# Allegro board CH348Q_V10_240815.brd
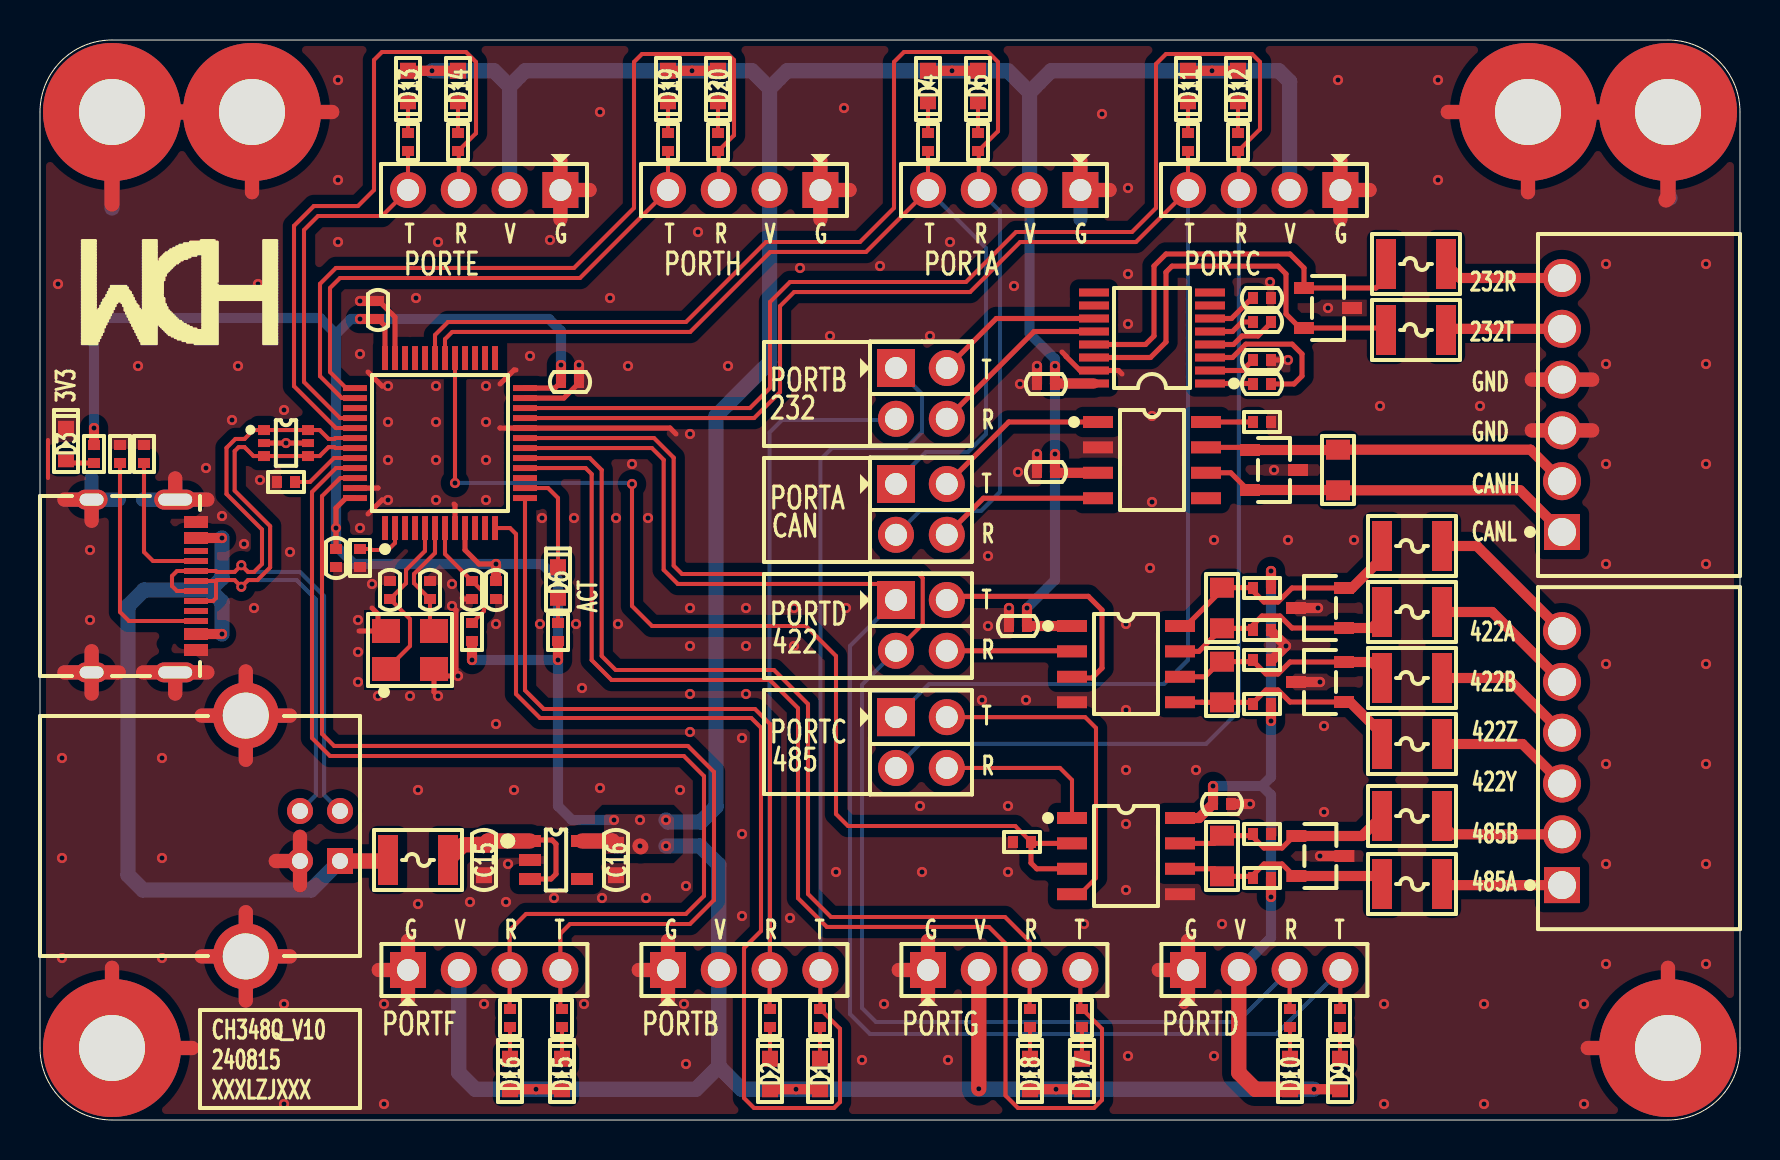
[diagram p0: board, top side]
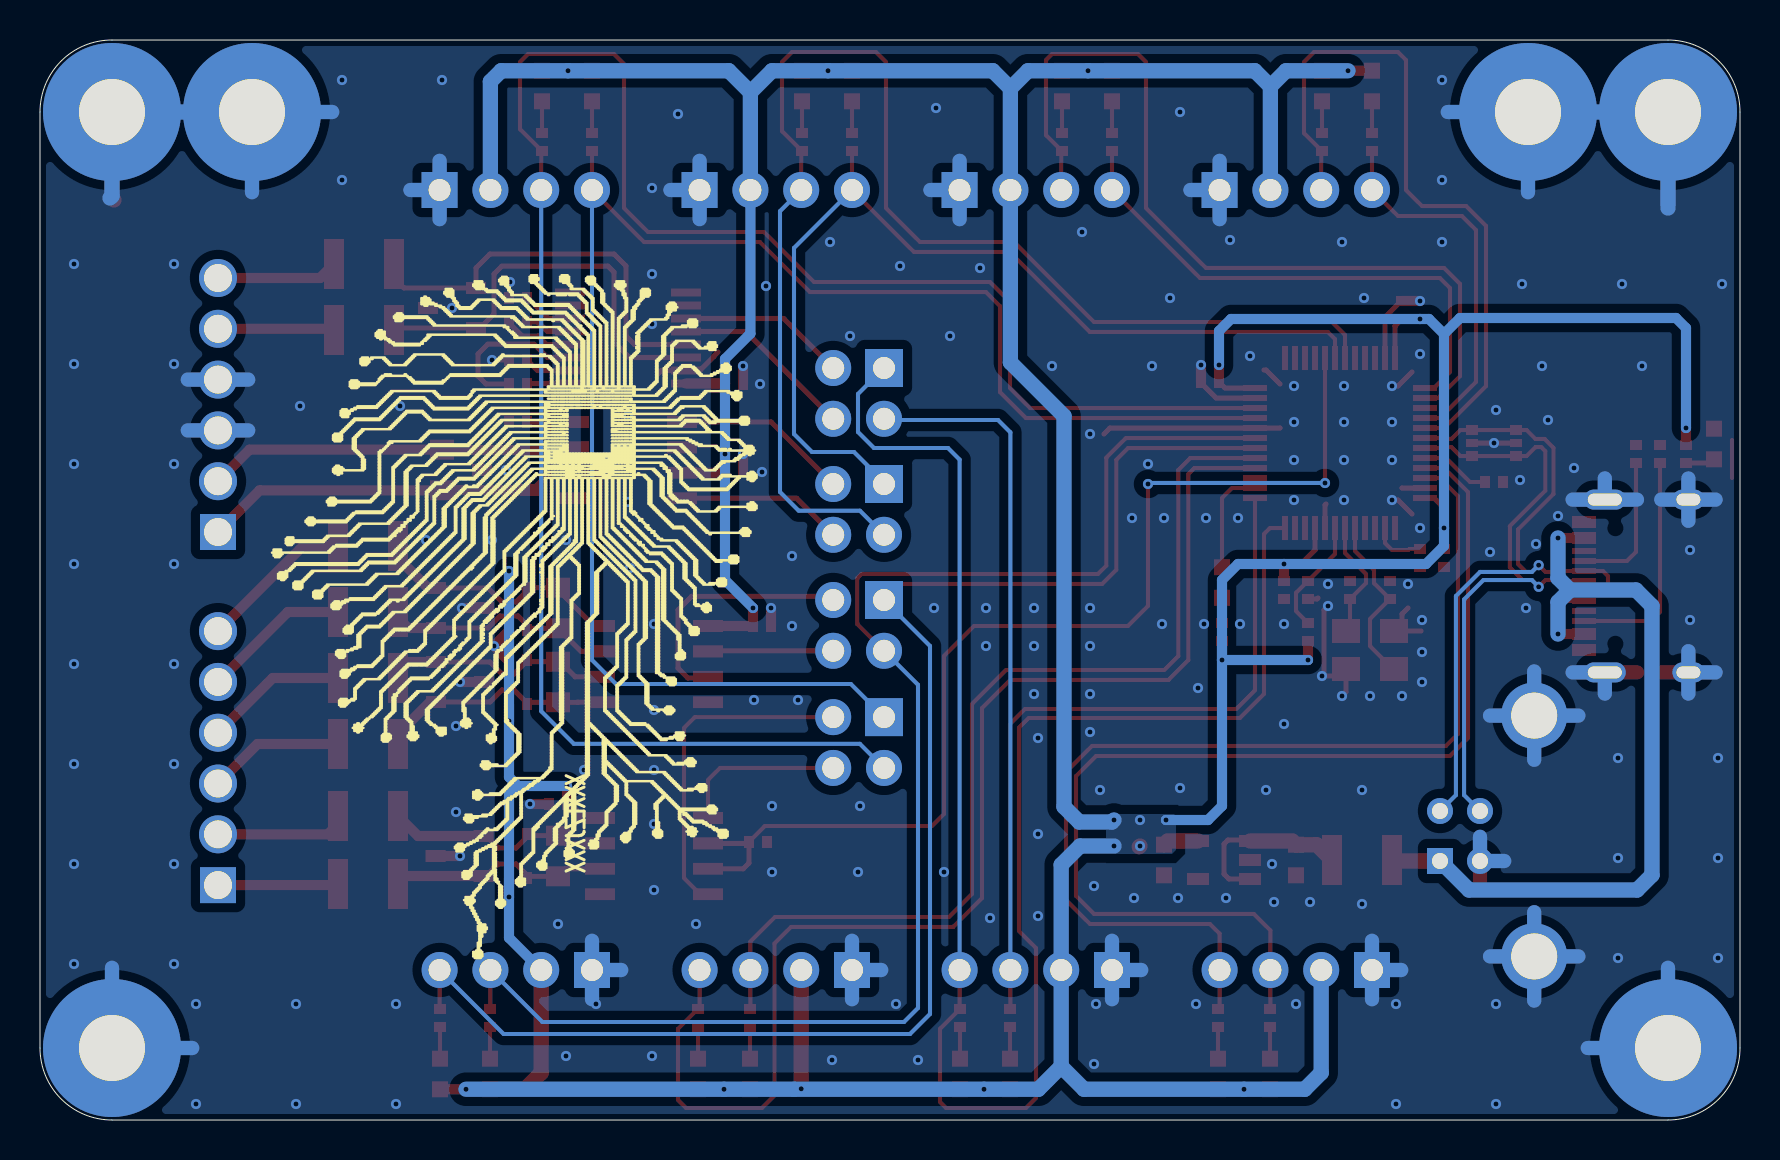
[diagram p1: board, bottom side, seen from below]

Outline 85 x 54 mm; copper layers: TOP, BOTTOM. Coordinates in mm from the lower left corner of the outline.
Outline path: 0,50.4 arc(1.05,52.95) 3.6,54 81.4,54 arc(83.95,52.95) 85,50.4 85,3.6 arc(83.95,1.05) 81.4,0 3.6,0 arc(1.05,1.05) 0,3.6 0,50.4

## Design rules (mm)
constraint set DEFAULT: min track width 0.203, pair gap 0.203
net group DP1: nets USB_DM USB_DP

## Placement (name value [footprint] x y rotation side)
C1  100nF_50V  [C0402]  61.1 41.1 180 top
C2  100nF_50V  [C0402]  61.1 39.9 180 top
C3  100nF_50V  [C0402]  16.9 40.5 270 top
C4  100nF_50V  [C0402]  61.1 38 180 top
C5  100nF_50V  [C0402]  26.5 36.9 180 top
C6  100nF_50V  [C0402]  50.3 36.8 0 top
C7  100nF_50V  [C0402]  61.1 36.8 0 top
C8  100nF_50V  [C0402]  50.3 32.4 0 top
C9  100nF_50V  [C0402]  14.8 28.1 90 top
C10  12pF_50V  [C0402]  17.5 26.5 270 top
C11  12pF_50V  [C0402]  19.5 26.5 270 top
C12  100nF_50V  [C0402]  21.6 26.5 90 top
C13  100nF_50V  [C0402]  22.8 26.5 90 top
C14  100nF_50V  [C0402]  48.9 24.7 0 top
C15  10uF_10V  [C0603]  22.2 13 90 top
C16  10uF_10V  [C0603]  28.8 13 90 top
C17  100nF_50V  [C0402]  59.1 15.8 180 top
D1  GREEN-0603  [LED0603]  39 2.3 90 top
D2  GREEN-0603  [LED0603]  36.5 2.3 90 top
D3  GREEN-0603  [LED0603]  1.3 33.8 90 top
D4  GREEN-0603  [LED0603]  44.4 51.7 270 top
D5  GREEN-0603  [LED0603]  46.9 51.7 270 top
D6  GREEN-0603  [LED0603]  25.9 26.88 90 top
D9  GREEN-0603  [LED0603]  65 2.3 90 top
D10  GREEN-0603  [LED0603]  62.5 2.3 90 top
D11  GREEN-0603  [LED0603]  57.4 51.7 270 top
D12  GREEN-0603  [LED0603]  59.9 51.7 270 top
D13  GREEN-0603  [LED0603]  18.4 51.7 270 top
D14  GREEN-0603  [LED0603]  20.9 51.7 270 top
D15  GREEN-0603  [LED0603]  26.1 2.3 90 top
D16  GREEN-0603  [LED0603]  23.5 2.3 90 top
D17  GREEN-0603  [LED0603]  52.1 2.3 90 top
D18  GREEN-0603  [LED0603]  49.5 2.3 90 top
D19  GREEN-0603  [LED0603]  31.4 51.7 270 top
D20  GREEN-0603  [LED0603]  33.9 51.7 270 top
F1  SMD1210B010TF  [FUSE1210]  68.8 42.8 0 top
F2  SMD1210B010TF  [FUSE1210]  68.8 39.5 0 top
F3  SMD1210B010TF  [FUSE1210]  68.6 28.7 0 top
F4  SMD1210B010TF  [FUSE1210]  68.6 25.4 0 top
F5  SMD1210B010TF  [FUSE1210]  68.6 22.1 0 top
F6  SMD1210-200  [FUSE1210]  18.9 13 0 top
F7  SMD1210B010TF  [FUSE1210]  68.6 18.8 0 top
F8  SMD1210B010TF  [FUSE1210]  68.6 15.2 0 top
F9  SMD1210B010TF  [FUSE1210]  68.6 11.8 0 top
J1  -  [CN1X4-2P54-Z]  52.02 46.5 180 top
J2  -  [CN1X4-2P54-Z]  31.4 7.5 0 top
J3  -  [CN2X2-2P54-Z]  42.8 37.6 270 top
J4  DB2ERC-2.54-6P-GN  [DB2ERC-2R54-6P-GN]  76.1 29.4 90 top
J5  -  [CN2X2-2P54-Z]  42.8 31.8 270 top
J6  -  [CN2X2-2P54-Z]  42.8 26 270 top
J7  -  [CN2X2-2P54-Z]  42.8 20.14 270 top
J8  DB2ERC-2.54-6P-GN  [DB2ERC-2R54-6P-GN]  76.1 11.74 90 top
J9  -  [CN1X4-2P54-Z]  57.4 7.5 0 top
J10  -  [CN1X4-2P54-Z]  65.02 46.5 180 top
J11  -  [CN1X4-2P54-Z]  26.02 46.5 180 top
J12  -  [CN1X4-2P54-Z]  18.4 7.5 0 top
J13  -  [CN1X4-2P54-Z]  44.4 7.5 0 top
J14  -  [CN1X4-2P54-Z]  39.02 46.5 180 top
MH1  HOLE_M3/NI  [HOLE6R90X3R40]  3.6 50.4 0 top
MH2  HOLE_M3/NI  [HOLE6R90X3R40]  10.6 50.4 0 top
MH3  HOLE_M3/NI  [HOLE6R90X3R40]  74.4 50.4 0 top
MH4  HOLE_M3/NI  [HOLE6R90X3R40]  81.4 50.4 0 top
MH5  HOLE_M3/NI  [HOLE6R90X3R40]  3.6 3.6 0 top
MH6  HOLE_M3/NI  [HOLE6R90X3R40]  81.4 3.6 0 top
NOREF  -  []  0 0 90 top
NOREF#2  -  []  0 0 0 top
NOREF#3  -  []  0 0 90 top
NOREF#4  -  []  0 0 0 top
NOREF#5  -  []  0 0 0 top
NOREF#6  -  []  3.6 50.4 0 top
NOREF#7  -  []  0 0 90 top
R1  4.7K  [R0402]  39 5.1 270 top
R2  4.7K  [R0402]  36.5 5.1 270 top
R3  0R  [R0402]  61.1 34.9 0 top
R4  4.7K  [R0402]  2.7 33.3 90 top
R5  5.1K  [R0402]  4 33.3 90 top
R6  5.1K/NI  [R0402]  5.2 33.3 270 top
R7  120R/NI  [R0805]  64.9 32.5 90 top
R8  4.7K  [R0402]  12.3 31.9 0 top
R9  4.7K  [R0402]  44.4 48.9 90 top
R10  4.7K  [R0402]  46.9 48.9 90 top
R11  4.7K  [R0402]  25.9 24.4 270 top
R14  4.7K  [R0402]  21.6 24.4 90 top
R15  4.7K  [R0402]  65 5.1 270 top
R16  2K  [R0402]  61.1 26.6 0 top
R17  120R  [R0805]  59.1 25.6 90 top
R18  4.7K  [R0402]  62.5 5.1 270 top
R19  2K  [R0402]  61.1 24.5 180 top
R20  2K  [R0402]  61.1 23 180 top
R21  120R  [R0805]  59.1 21.9 270 top
R22  4.7K  [R0402]  57.4 48.9 90 top
R23  2K  [R0402]  61.1 20.8 0 top
R24  4.7K  [R0402]  59.9 48.9 90 top
R25  2K  [R0402]  61.1 14.3 180 top
R26  10K  [R0402]  49.1 13.9 180 top
R27  120R  [R0805]  59.1 13.2 270 top
R28  2K  [R0402]  61.1 12.1 0 top
R29  4.7K  [R0402]  16 28.1 90 top
R30  4.7K  [R0402]  18.4 48.9 90 top
R31  4.7K  [R0402]  20.9 48.9 90 top
R32  4.7K  [R0402]  26.1 5.1 270 top
R33  4.7K  [R0402]  23.5 5.1 270 top
R34  4.7K  [R0402]  52.1 5.1 270 top
R35  4.7K  [R0402]  49.5 5.1 270 top
R36  4.7K  [R0402]  31.4 48.9 90 top
R37  4.7K  [R0402]  33.9 48.9 90 top
U1  SP3232EEY-L/TR  [TSSOP16]  55.6 39.1 90 top
U2  SDT23C15L02  [SOT23-3]  64.4 40.6 180 top
U3  TPD4E1U06DCKR  [SOT363]  12.3 33.85 270 top
U4  CH348Q  [LQFP48-7X7X0R5]  20 33.85 0 top
U5  SN65HVD230DR  [SOIC8]  55.6 33 270 top
U6  SDT23C15L02  [SOT23-3]  61.7 32.5 180 top
U7  SDT23C15L02  [SOT23-3]  64 25.6 0 top
U8  SP3490EN-L/TR  [SOIC8]  54.3 22.8 270 top
U9  SDT23C15L02  [SOT23-3]  64 21.9 0 top
U10  SPX3819M5-L-3-3  [SOT23-5]  25.8 13 270 top
U11  SP3485EN-L/TR  [SOIC8]  54.3 13.2 270 top
U12  SDT23C15L02  [SOT23-3]  64.02 13.2 180 top
USB1  -  [TYPE-C-31-M-12]  7.8 26.7 270 top
USB2  -  [USB-B]  15 14.2 180 top
X1  X32258MOB4SI  [X-4P-3R2X2R5-SMD]  18.5 23.5 0 top

## Library data of the parts
C1 C2 C4 C6 C7 C14-C17 = CAP NP
C3 C5 C9-C13 = CAP NP_3
C8 = CAP NP_2
D1-D6 D9-D20 = LED_4
F1-F9 = FUSE
J1 J2 J9-J14 = CONN RCPT 4
J3 J5-J7 = CONN RCPT 2x2
J4 J8 = CONN RCPT 6
MH1-MH6 = Hold_1
R1-R11 R14-R37 = R_Generic
U1 = ADM202_0
U2 U6 U7 U9 U12 = PESD1CAN
U3 = TPD4E1U06DBVR
U4 = CH348Q
U5 = TJA1050
U8 = MAX3485ESA_0
U10 = SPX3819M5-L-1-2
U11 = MAX3485ESA
USB1 = TYPE-C_16P
USB2 = USB-B
X1 = TSX-3225

## Footprints (pads in the part's own frame, mm; a bottom-side part is the same pattern mirrored in y, then rotated)
C0402
  rect 0.5x0.6 smd: 1(-0.45,0) 2(0.45,0)
C0603
  rect 0.8x0.8 smd: 1(-0.762,0) 2(0.762,0)
CN1X4-2P54-Z
  rect 1.8x1.8 hole 1.1: 1(0,0)
  round 1.8 hole 1.1: 2(2.54,0) 3(5.08,0) 4(7.62,0)
CN2X2-2P54-Z
  rect 1.9x1.9 hole 1.1: 1(0,0)
  round 1.8 hole 1.1: 2(0,2.54) 3(2.54,0) 4(2.54,2.54)
DB2ERC-2R54-6P-GN
  rect 1.8x1.8 hole 1.4: 1(0,0)
  round 1.9 hole 1.4: 2(2.54,0) 3(5.08,0) 4(7.62,0) 5(10.16,0) 6(12.7,0)
FUSE1210
  rect 1x2.5 smd: 1(-1.5,0) 2(1.5,0)
HOLE6R90X3R40
  round 6.9 hole 3.3: 1(0,0)
LED0603
  rect 0.8x0.8 smd: 1(-0.762,0) 2(0.762,0)
LQFP48-7X7X0R5
  rect 0.3x1.2 smd: 1(-2.75,-4.25) 2(-2.25,-4.25) 3(-1.75,-4.25) 4(-1.25,-4.25) 5(-0.75,-4.25) 6(-0.25,-4.25) 7(0.25,-4.25) 8(0.75,-4.25) 9(1.25,-4.25) 10(1.75,-4.25) 11(2.25,-4.25) 12(2.75,-4.25) 25(2.75,4.25) 26(2.25,4.25) 27(1.75,4.25) 28(1.25,4.25) 29(0.75,4.25) 30(0.25,4.25) 31(-0.25,4.25) 32(-0.75,4.25) 33(-1.25,4.25) 34(-1.75,4.25) 35(-2.25,4.25) 36(-2.75,4.25)
  rect 1.2x0.3 smd: 13(4.25,-2.75) 14(4.25,-2.25) 15(4.25,-1.75) 16(4.25,-1.25) 17(4.25,-0.75) 18(4.25,-0.25) 19(4.25,0.25) 20(4.25,0.75) 21(4.25,1.25) 22(4.25,1.75) 23(4.25,2.25) 24(4.25,2.75) 37(-4.25,2.75) 38(-4.25,2.25) 39(-4.25,1.75) 40(-4.25,1.25) 41(-4.25,0.75) 42(-4.25,0.25) 43(-4.25,-0.25) 44(-4.25,-0.75) 45(-4.25,-1.25) 46(-4.25,-1.75) 47(-4.25,-2.25) 48(-4.25,-2.75)
R0402
  rect 0.5x0.6 smd: 1(-0.45,0) 2(0.45,0)
R0805
  rect 1x1.2 smd: 1(-1.016,0) 2(1.016,0)
SOIC8
  rect 0.6x1.5 smd: 1(-1.9,-2.7) 2(-0.63,-2.7) 3(0.64,-2.7) 4(1.91,-2.7) 5(1.91,2.7) 6(0.64,2.7) 7(-0.63,2.7) 8(-1.9,2.7)
SOT23-3
  rect 1x0.6 smd: 1(1.2,-1) 2(1.2,1) 3(-1.2,0)
SOT23-5
  rect 0.6x1.1 smd: 1(-0.95,-1.3) 2(0,-1.3) 3(0.95,-1.3) 4(0.95,1.3) 5(-0.95,1.3)
SOT363
  rect 0.5x0.6 smd: 1(-0.65,-1.1) 3(0.65,-1.1) 4(0.65,1.1) 6(-0.65,1.1)
  rect 0.4x0.6 smd: 2(0,-1.1) 5(0,1.1)
TSSOP16
  rect 0.4x1.5 smd: 1(-2.275,-2.9) 2(-1.625,-2.9) 3(-0.975,-2.9) 4(-0.325,-2.9) 5(0.325,-2.9) 6(0.975,-2.9) 7(1.625,-2.9) 8(2.275,-2.9) 9(2.275,2.9) 10(1.625,2.9) 11(0.975,2.9) 12(0.325,2.9) 13(-0.325,2.9) 14(-0.975,2.9) 15(-1.625,2.9) 16(-2.275,2.9)
TYPE-C-31-M-12
  rect 0.6x1.2 smd: 1(-3.2,0) 2(-2.4,0) 11(2.4,0) 12(3.2,0)
  rect 0.3x1.2 smd: 3(-1.75,0) 4(-1.25,0) 5(-0.75,0) 6(-0.25,0) 7(0.25,0) 8(0.75,0) 9(1.25,0) 10(1.75,0)
  oval 1x2.1 hole 0.6x1.7: 13(-4.32,-1.04) 14(4.32,-1.04)
  oval 1x1.6 hole 0.6x1.2: 15(-4.32,-5.22) 16(4.32,-5.22)
USB-B
  rect 1.3x1.3 hole 0.8: 1(0,1.25)
  round 1.3 hole 0.8: 2(0,-1.25) 3(2,-1.25) 4(2,1.25)
  round 3.3 hole 2.3: 5(4.71,6.02) 6(4.71,-6.02)
X-4P-3R2X2R5-SMD
  rect 1.4x1.2 smd: 1(-1.2,-0.95) 2(1.2,-0.95) 3(1.2,0.95) 4(-1.2,0.95)

## Nets
GND: C1.1 C3.1 C4.1 C5.1 C6.1 C8.1 C9.1 C10.1 C11.1 C12.1 C13.1 C14.1 C15.1 C16.1 C17.1 D3.2(CATHODE) J1.1 J2.1 J4.3 J4.4 J9.1 J10.1 J11.1 J12.1 J13.1 J14.1 MH1.1 MH2.1 MH3.1 MH4.1 MH5.1 MH6.1 R3.2 R5.2 R6.1 R8.1 R19.1 R20.1 R25.1 R26.2 R29.1 U1.15 U2.3 U3.2 U3.5(NC) U4.8 U4.20 U4.23 U4.35 U4.47 U5.2 U6.3 U7.3 U8.4 U9.3 U10.2 U11.5 U12.3 USB1.1 USB1.12 USB1.13 USB1.14 USB1.15 USB1.16 USB2.4 USB2.5 USB2.6 X1.2 X1.4
VCC_3.3V: C3.2 C5.2 C6.2 C8.2 C9.2 C13.2 C14.2 C16.2 C17.2 D1.1 D2.1 D4.1 D5.1 D9.1 D10.1 D11.1 D12.1 D13.1 D14.1 D15.1 D16.1 D17.1 D18.1 D19.1 D20.1 J1.2 J2.2 J9.2 J10.2 J11.2 J12.2 J13.2 J14.2 R4.2 R11.2 R14.1 R16.2 R23.2 R28.2 U1.16(VCC) U4.9 U4.24 U4.36 U4.48 U5.3 U8.1 U10.5(VOUT) U11.8(VCC)
VCC_5V: C15.2 F6.2 U10.1 U10.3
VCC_USB: F6.1 USB1.2 USB1.11(VBUS2) USB2.1(VBUS)
232_RX: F1.2 J4.6
232_TX: F2.2 J4.5
422_A: F3.2 J8.6
422_B: F4.2 J8.5
422_Y: F7.2 J8.3
422_Z: F5.2 J8.4
422A: F3.1 R16.1 R17.2 U7.2 U8.8
422B: F4.1 R17.1 R19.2 U7.1 U8.7
422Y: F7.1 R21.2 R23.1 U8.5 U9.1
422Z: F5.1 R20.2 R21.1 U8.6(Z) U9.2
485_A: F9.2 J8.1
485_B: F8.2 J8.2
485A: F9.1 R27.2 R28.1 U11.6 U12.2
485B: F8.1 R25.2 R27.1 U11.7 U12.1
ACT: D6.2(CATHODE) U4.14
CAN_H: J4.2 R7.2 U5.7 U6.1
CAN_L: J4.1 R7.1 U5.6 U6.2
RESET: C12.2 R14.2 U4.7
RXD0: J1.3 J5.3 R10.1 U4.31
RXD1: J2.3 J3.3 R2.1 U4.13
RXD2: J7.3 J10.3 R24.1 U4.22
RXD3: J6.3 J9.3 R18.1 U4.19
RXD4: J11.3 R31.1 U4.41
RXD5: J12.3 R33.1 U4.45
RXD6: J13.3 R35.1 U4.17
RXD7: J14.3 R37.1 U4.38
TNOW2: R26.1 U4.29 U11.2 U11.3
TXD0: J1.4 J5.1 R9.1 U4.30
TXD1: J2.4 J3.1 R1.1 U4.12
TXD2: J7.1 J10.4 R22.1 U4.21
TXD3: J6.1 J9.4 R15.1 U4.18
TXD4: J11.4 R30.1 U4.40
TXD5: J12.4 R32.1 U4.46
TXD6: J13.4 R34.1 U4.16
TXD7: J14.4 R36.1 U4.37
USB_DM: U3.1 U3.6 U4.42 USB1.5 USB1.7 USB2.2
USB_DP: U3.3 U3.4 U4.43 USB1.6 USB1.8 USB2.3
XI: C10.2 U4.5 X1.1
XO: C11.2 U4.6(XO) X1.3(OUT2)
N17513240: R8.2 U4.44
N17515627: D6.1 R11.1
N17515671: D3.1 R4.1
N17517277: R6.2 USB1.4
N17517307: R5.1 USB1.10
N17522544: J5.2 U5.1
N17522550: R3.1 U5.8
N17522580: J5.4 U5.4
N17523981: J6.4 U8.2
N17523989: J6.2 U8.3
N17533006: C7.2 U1.3
N17533010: C7.1 U1.1
N17533038: C1.2 U1.6
N17533058: C2.2 U1.5
N17533062: C2.1 U1.4
N17533089: J3.2 U1.11
N17533104: J3.4 U1.12
N17533106: F1.1 U1.13 U2.1
N17533117: F2.1 U1.14 U2.2
N17538150: J7.2 U11.4
N17538165: J7.4 U11.1
N17542789: R29.2 U4.2
N17552152: D4.2(CATHODE) R9.2
N17552159: D5.2(CATHODE) R10.2
N17552166: D1.2(CATHODE) R1.2
N17552173: D2.2(CATHODE) R2.2
N17552180: D11.2(CATHODE) R22.2
N17552187: D12.2(CATHODE) R24.2
N17552194: D9.2(CATHODE) R15.2
N17552201: D10.2(CATHODE) R18.2
N17552820: D13.2(CATHODE) R30.2
N17552822: D14.2(CATHODE) R31.2
N17552824: D15.2(CATHODE) R32.2
N17552826: D16.2(CATHODE) R33.2
N17552828: D17.2(CATHODE) R34.2
N17552830: D18.2(CATHODE) R35.2
N17552832: D19.2(CATHODE) R36.2
N17552834: D20.2(CATHODE) R37.2
N175329948: C4.2 U1.2

Pads without a net: U1 7 8 9 10; U4 1 3 4 10 11 15 25 26 27 28 32 33 34 39; U5 5; U10 4; USB1 3 9

## Via types
v1: diameter 0.508, hole 0.254, TOP to BOTTOM, 223 vias

## Routing (per net, layer and track width the routed paths; a pad name or vN(x,y) marks a point on that pad's centre or on a via; arc(x,y) is an arc through that point)
GND: length 312.3
  TOP w0.203: 0.4,34 0.4,32.1
  TOP w0.254: v1(20.6,25.7) 20.8,25.5 20.8,22.3 v1(20.9,22.2) 20.05,22.2 X1.2 19.7,21.4 v1(19.9,21.2) ; 51.1,38.4 51.3,38.2 51.3,38.18 52,37.48 U1.15 53.92,37.48 54.1,37.3 ; U4.23 26.19,36.1 26.95,36.85 C5.1 ; U4.47 16.9,31.6 16.9,31.6 ; 31.8,34.3 31.5,34.6 U4.20 23,34.6 23,34.6 ; U3.2 v1(12.3,33.85) U3.5 ; 21.1,26.1 21.15,26.05 C12.1 ; v1(17.4,36.7) 17.1,36.7 16.4,37.4 ; 16.4,30.3 17.1,31 v1(17.4,31) ; U4.35 17.75,40.15 16.95,40.95 C3.1 ; 23.8,37.5 23.7,37.5 23,36.8 ; C4.1 v1(62.4,38) ; U4.8 20.75,30.75 20.7,30.8 ; 16.6,25.6 16.9,25.3 16.9,24.85 X1.4 15.95,24.45
  TOP w0.508: R19.1 61.55,24.45 v1(62.3,23.7) 61.6,23 R20.1 ; U9.3 v1(64,21.9) ; U12.3 v1(64,13.2) ; C3.1 v1(16,40.95) ; C5.1 v1(26.95,37.75) ; U7.3 v1(63.9,25.6) ; C8.1 v1(49.85,33.3) ; C17.1 v1(60.5,15.8) ; C6.1 v1(49.85,37.7) ; C14.1 v1(48.45,25.6)
  TOP w0.711: 7.61,3.6 MH5.1 3.6,7.61 ; 1.22,31.02 USB1.15 2.58,29.96 ; 74.4,46.39 MH3.1 70.39,50.4 ; J10.1 66.48,46.5 ; J10.1 65.02,47.96 ; J10.1 65.02,45.04 ; 42.94,7.5 J13.1 ; J13.1 44.4,8.96 ; J13.1 44.4,6.04 ; J14.1 40.48,46.5 ; J14.1 39.02,45.04 ; J14.1 39.02,47.96 ; 1.22,22.38 USB1.16 ; USB1.16 2.58,21.32 ; USB1.16 2.58,23.44 ; USB1.16 3.94,22.38 ; 26.02,45.04 J11.1 ; J11.1 26.02,47.96 ; J11.1 27.48,46.5 ; 57.4,6.04 J9.1 ; J9.1 57.4,8.96 ; J9.1 55.94,7.5 ; 5.15,22.38 USB1.14 ; USB1.14 8.37,22.38 ; USB1.14 6.76,21.32 ; J2.1 31.4,8.96 ; J2.1 29.94,7.5 ; J2.1 31.4,6.04 ; 13,11.74 USB2.4 ; USB2.4 13,14.16 ; USB2.4 11.79,12.95 ; 10.29,18.01 USB2.6 ; USB2.6 12.5,20.22 ; USB2.6 8.08,20.22 ; USB2.6 10.29,22.43 ; 77.61,37.02 J4.4 74.59,37.02 ; 6.76,32.08 USB1.13 8.37,31.02 ; 52.02,47.96 J1.1 53.48,46.5 ; 77.61,34.48 J4.3 74.59,34.48 ; 14.61,50.4 MH2.1 10.6,46.39 ; 81.4,7.61 MH6.1 77.39,3.6 ; 8.08,8.18 USB2.5 ; USB2.5 10.29,5.97 ; USB2.5 10.29,10.39 ; USB2.5 12.5,8.18 ; 16.94,7.5 J12.1 ; J12.1 18.4,8.96 ; J12.1 18.4,6.04
  TOP w0.762: 3.6,45.8 MH1.1 MH2.1 ; MH3.1 MH4.1 81.4,46.1 81.3,46
  BOTTOM w0.711: 26.02,45.04 J11.1 ; J11.1 27.48,46.5 ; J11.1 26.02,47.96 ; 77.61,34.48 J4.3 74.59,34.48 ; J1.1 53.48,46.5 ; J1.1 52.02,47.96 ; J1.1 52.02,45.04 ; J2.1 31.4,8.96 ; J2.1 29.94,7.5 ; J2.1 31.4,6.04 ; J9.1 57.4,8.96 ; J9.1 57.4,6.04 ; J9.1 55.94,7.5 ; J12.1 18.4,8.96 ; J12.1 18.4,6.04 ; J12.1 16.94,7.5 ; 77.39,3.6 MH6.1 81.4,7.61 ; 8.08,8.18 USB2.5 ; USB2.5 10.29,10.39 ; USB2.5 12.5,8.18 ; USB2.5 10.29,5.97 ; 39.02,45.04 J14.1 ; J14.1 39.02,47.96 ; J14.1 40.48,46.5 ; 65.02,45.04 J10.1 ; J10.1 65.02,47.96 ; J10.1 66.48,46.5 ; 10.29,18.01 USB2.6 ; USB2.6 12.5,20.22 ; USB2.6 8.08,20.22 ; USB2.6 10.29,22.43 ; 14.61,50.4 MH2.1 10.6,46.39 ; 5.15,31.02 USB1.13 ; USB1.13 8.37,31.02 ; USB1.13 6.76,32.08 ; 6.76,21.32 USB1.14 8.37,22.38 ; 1.22,31.02 USB1.15 ; USB1.15 2.58,29.96 ; USB1.15 3.94,31.02 ; USB1.15 2.58,32.08 ; USB1.16 2.58,23.44 ; USB1.16 1.22,22.38 ; USB1.16 2.58,21.32 ; 42.94,7.5 J13.1 ; J13.1 44.4,6.04 ; J13.1 44.4,8.96 ; 11.79,12.95 USB2.4 13,14.16 ; 7.61,3.6 MH5.1 3.6,7.61 ; 70.39,50.4 MH3.1 74.4,46.39 ; 74.59,37.02 J4.4 77.61,37.02
  BOTTOM w0.762: MH3.1 MH4.1 81.4,46.2 81.5,46.1 ; 3.6,45.6 MH1.1 MH2.1
  vias: v1(0.9,41.8) v1(1.1,18.1) v1(1.1,13.1) v1(1.1,8.1) v1(2.5,28.5) v1(2.5,25) v1(4.9,37.7) v1(5.9,41.8) v1(6.1,18.1) v1(6.1,13.1) v1(6.1,8.1) v1(8.3,32.6) v1(9.1,30.2) v1(9.6,35) v1(9.9,37.7) v1(10.2,28.8) v1(10.7,25.6) v1(10.9,41.8) v1(11,32) v1(12.2,35.5) v1(12.2,5.8) v1(12.2,0.8) v1(12.5,28.4) v1(14.9,52) v1(14.9,47) v1(14.9,43.9) v1(15.9,25) v1(15.9,23.4) v1(15.9,21.9) v1(16,38.3) v1(16,29.6) v1(16.6,26.8) v1(16.9,21.2) v1(17.2,5.8) v1(17.2,0.8) v1(17.4,34.9) v1(17.4,33) v1(18.5,21.2) v1(18.8,41.1) v1(18.9,16.5) v1(18.9,10.8) v1(19.8,36.7) v1(19.8,34.9) v1(19.8,33) v1(19.8,31) v1(19.9,43.9) v1(20.6,26.8) v1(21.5,10.9) v1(22.2,5.8) v1(22.3,36.7) v1(22.3,34.9) v1(22.3,33) v1(22.3,31) v1(22.8,24.8) v1(22.8,19.8) v1(23.3,10.9) v1(23.4,12.8) v1(23.7,16.5) v1(24.5,38.2) v1(25,24.8) v1(25.1,30.1) v1(25.5,44) v1(25.7,11.1) v1(26.7,30.1) v1(26.8,24.8) v1(27.1,21.6) v1(27.2,5.8) v1(28,50.4) v1(28,16.6) v1(28.1,11.1) v1(28.5,41.1) v1(28.8,30.1) v1(28.9,24.8) v1(29.4,37.7) v1(29.6,32.8) v1(30.3,11.1) v1(30.4,30.1) v1(32,16.5) v1(32.2,5.8) v1(32.3,11.7) v1(32.3,2.8) v1(32.5,34.3) v1(32.5,25.6) v1(32.5,23.7) v1(32.5,21.3) v1(32.5,19.4) v1(32.9,44.4) v1(34.4,37.7) v1(35.1,19.1) v1(35.1,14.3) v1(35.1,10.2) v1(35.3,25.6) v1(35.3,23.7) v1(35.3,21.3) v1(37.5,10.1) v1(37.7,25.6) v1(37.7,23.7) v1(38,42.6) v1(39.5,39.2) v1(39.8,12.4) v1(40.2,50.6) v1(40.3,25.6) v1(41.1,3) v1(42,42.7) v1(42.2,5.8) v1(44,15.7) v1(44.1,12.4) v1(44.5,39.2) v1(45.4,3) v1(45.5,43.9) v1(47.1,21) v1(47.4,28.2) v1(47.4,24.7) v1(48.4,15.7) v1(48.4,12.4) v1(48.7,41.7) v1(48.9,32.4) v1(49,36.8) v1(49.3,21) v1(52.2,9.8) v1(53.1,50.3) v1(54.3,24.8) v1(54.3,20.5) v1(54.3,17.5) v1(54.3,14.8) v1(54.3,11.5) v1(54.4,46.6) v1(54.4,42.3) v1(54.4,39.8) v1(54.4,3.2) v1(55.5,27.6) v1(55.6,35.2) v1(55.6,30.9) v1(57.2,5.8) v1(57.8,17.5) v1(58.7,29) v1(58.7,3.2) v1(59.1,9.8) v1(61.5,41.9) v1(61.7,32.5) v1(62.4,29) v1(64.2,19.7) v1(64.2,15.4) v1(64.4,40.6) v1(64.9,52) v1(65.7,29) v1(67,35.7) v1(67.2,5.8) v1(67.2,0.8) v1(69.9,52) v1(69.9,47) v1(72,35.7) v1(72.2,5.8) v1(72.2,0.8) v1(77.2,5.8) v1(77.2,0.8) v1(78.3,42.8) v1(78.3,37.8) v1(78.3,32.8) v1(78.3,27.8) v1(78.3,22.8) v1(78.3,17.8) v1(78.3,12.8) v1(78.3,7.8) v1(83.3,42.8) v1(83.3,37.8) v1(83.3,32.8) v1(83.3,27.8) v1(83.3,22.8) v1(83.3,17.8) v1(83.3,12.8) v1(83.3,7.8)
VCC_3.3V: length 347.2
  TOP w0.254: U4.24 25.75,36.6 C5.2 ; U4.36 17.25,39.7 C3.2 ; U4.48 15.3,31.1 14.8,30.6 v1(14.8,29.6) C9.2 ; v1(22.8,27.8) 21.95,27.8 21.25,28.5 U4.9
  TOP w0.508: R11.2 v1(25.9,23) ; D15.1 v1(24.8,1.54) D16.1 ; v1(26.05,37.75) C5.2 ; U1.16 50.75,36.83 ; 50.75,36.83 v1(50.75,37.7) ; 50.75,36.83 C6.2 ; D9.1 v1(63.7,1.54) D10.1 ; v1(50.75,33.3) C8.2 50.79,32.36 U5.3 ; D14.1 v1(19.6,52.46) D13.1 ; D11.1 v1(58.6,52.46) D12.1 ; D17.1 v1(50.8,1.54) D18.1 ; D2.1 v1(37.8,1.54) D1.1 ; v1(58.65,16.7) C17.2 57.95,15.1 U11.8 ; R28.2 v1(61.55,11.15) ; R23.2 v1(61.55,19.95) ; C13.2 v1(22.8,27.8) ; D20.1 v1(32.6,52.46) D19.1 ; v1(49.35,25.6) C14.2 U8.1 ; R14.1 v1(21.6,23) ; D5.1 v1(45.6,52.46) D4.1 ; R16.2 v1(61.55,27.45) ; R4.2 v1(2.7,34.6) ; v1(16,40.05) C3.2
  TOP w0.762: C16.2 28.61,13.95 U10.5 ; J9.2 59.94,2.36 60.76,1.54 D10.1 ; J13.2 v1(46.94,1.56) ; 30.04,13.66 v1(30,13.7)
  BOTTOM w0.508: J1.2 49.48,39.32 50.75,38.05 v1(50.75,37.7) v1(50.75,33.3) 50.75,27 v1(49.35,25.6) ; v1(26.05,37.75) 26.05,39.45 25.45,40.05 v1(16,40.05) 15.55,40.05 14.8,39.3 ; 14.8,39.3 v1(14.8,29.6) 14.8,28.7 15.7,27.8 v1(22.8,27.8) 25.1,27.8 25.9,27 v1(25.9,23) ; 14.8,39.3 14,40.1 3.2,40.1 2.7,39.6 v1(2.7,34.6) ; v1(28.7,15) 26.6,15 25.9,15.7 v1(25.9,23) ; 61.1,16.7 61.55,16.25 v1(61.55,11.15) 61.55,9.11 J9.2 ; 61.1,16.7 61.55,17.15 v1(61.55,19.95) v1(61.55,27.45) ; 61.1,16.7 v1(58.65,16.7) ; v1(25.9,23) v1(21.6,23) ; v1(46.94,1.56) 47.28,1.56 47.3,1.54
  BOTTOM w0.762: J10.2 62.48,51.92 61.94,52.46 v1(58.6,52.46) 50.56,52.46 49.48,51.38 ; 36.48,51.58 J14.2 36.48,37.88 33.8,35.2 33.8,15.66 33.04,14.9 31.4,14.9 v1(31.3,15) ; 36.48,51.58 35.6,52.46 v1(32.6,52.46) 24.26,52.46 23.48,51.68 ; 36.48,51.58 37.36,52.46 v1(45.6,52.46) 48.4,52.46 49.48,51.38 ; 33.94,2.68 J2.2 33.94,12.76 33,13.7 v1(31.3,13.7) ; 33.94,2.68 32.8,1.54 v1(24.8,1.54) 21.76,1.54 20.94,2.36 J12.2 ; 33.94,2.68 35.08,1.54 v1(37.8,1.54) v1(50.8,1.54) v1(63.7,1.54) ; 23.48,51.68 22.7,52.46 v1(19.6,52.46) ; 23.48,51.68 J11.2 ; J1.2 49.48,51.38
  vias: v1(30,15)
VCC_5V: length 8.8
  TOP w0.254: U10.1 24.55,14 25.6,14 25.8,13.8 25.8,12.3 25.55,12.05 U10.3
  TOP w0.762: U10.1 22.39,13.95 C15.2 21.16,13.76 F6.2
VCC_USB: length 39.7
  TOP w0.508: USB1.2 v1(9.1,29.1) ; USB1.11 v1(9.1,24.3)
  TOP w0.762: USB2.1 17.15,12.95 17.2,13 F6.1
  BOTTOM w0.762: 8.5,26.5 9.1,25.9 v1(9.1,24.3) ; 8.5,26.5 9.1,27.1 v1(9.1,29.1) ; 8.5,26.5 5.2,26.5 4.4,25.7 4.4,12.25 5.15,11.5 13.55,11.5 USB2.1
232_RX: length 6.1
  TOP w0.508: J4.6 71,42.1 F1.2
232_TX: length 5.8
  TOP w0.508: J4.5 70.36,39.56 F2.2
422_A: length 7.8
  TOP w0.508: F3.2 71.84,28.7 J8.6
422_B: length 7.4
  TOP w0.508: F4.2 72.6,25.4 J8.5
422_Y: length 6.8
  TOP w0.508: F7.2 74.12,18.8 J8.3
422_Z: length 7.1
  TOP w0.508: J8.4 73.36,22.1 F5.2
422A: length 12.9
  TOP w0.254: U8.8 57.3,24.7 59.1,26.5 R17.2 60.63,26.62 R16.1 60.65,26.45 61.2,25.9 61.9,25.9 62.6,26.6 U7.2
  TOP w0.508: U7.2 65.6,26.6 67.1,28.1 F3.1
422B: length 11.8
  TOP w0.254: U7.1 62.6,24.6 62,25.2 61.1,25.2 60.65,24.75 R19.2 60.57,24.58 R17.1 57.95,23.43 U8.7
  TOP w0.508: U7.1 66.59,24.6 67.1,25.11 F4.1
422Y: length 11.9
  TOP w0.254: U9.1 62.5,20.9 61.9,21.5 61.3,21.5 60.65,20.85 R23.1 60.57,20.88 R21.2 58.1,20.88 58.09,20.89 U8.5
  TOP w0.508: U9.1 65.5,20.9 67.1,19.3 F7.1
422Z: length 11.5
  TOP w0.254: U8.6 58.24,22.16 59,22.92 R21.1 60.57,22.92 R20.2 60.65,22.95 61.3,22.3 61.9,22.3 62.5,22.9 U9.2
  TOP w0.508: U9.2 66.59,22.9 67.1,22.39 F5.1
485_A: length 6
  TOP w0.508: J8.1 70.16,11.74 F9.2
485_B: length 6.6
  TOP w0.508: F8.2 70.1,14.79 70.61,14.28 J8.2
485A: length 11.1
  TOP w0.254: U12.2 62.7,12.2 62.1,12.8 61.2,12.8 60.65,12.25 R28.1 60.57,12.18 R27.2 58.72,12.56 U11.6
  TOP w0.508: F9.1 66.7,12.2 U12.2
485B: length 11.3
  TOP w0.254: U12.1 62.7,14.2 62.1,13.6 61.2,13.6 60.65,14.15 R25.2 60.57,14.22 R27.1 58.71,13.83 U11.7
  TOP w0.508: U12.1 66.1,14.2 F8.1
ACT: length 5.3
  TOP w0.203: U4.14 25.4,31.6 25.9,31.1 D6.2
CAN_H: length 18.5
  TOP w0.254: U5.7 60.37,33.63 U6.1
  TOP w0.508: U6.1 64.88,33.5 R7.2 74.52,33.52 J4.2
CAN_L: length 19
  TOP w0.254: U6.2 60.4,31.5 59.54,32.36 U5.6
  TOP w0.508: U6.2 64.88,31.5 R7.1 74.02,31.48 J4.1
RESET: length 5.8
  TOP w0.203: U4.7 20.25,28.3 C12.2 21.61,26.95 22.2,26.36 22.2,25.45 R14.2
RXD0: length 68.1
  TOP w0.203: U4.31 19.75,39.25 20.4,39.9 32.3,39.9 36.3,43.9 41,43.9 42.7,45.6 42.7,52.9 43.2,53.4 47.4,53.4 47.9,52.9 47.9,49.44 46.91,48.45 R10.1 46.94,48.41 J1.3
  BOTTOM w0.203: J5.3 44,30.46 47.06,30.46 48,31.4 48,45.44 J1.3
RXD1: length 70.3
  TOP w0.203: R2.1 36.48,5.57 J2.3 36.5,7.52 36.5,19.8 35.75,20.55 25.19,20.55 24.25,21.49 U4.13
  BOTTOM w0.203: J2.3 36.48,34.38 37.1,35 42.74,35 J3.3
RXD2: length 102.2
  TOP w0.203: J10.3 59.94,48.41 R24.1 59.91,48.45 61,49.54 61,52.9 60.6,53.3 56.3,53.3 55.8,52.8 55.8,45.6 54.6,44.4 48.8,44.4 46.3,41.9 37.5,41.9 36.5,40.9 36.5,36.6 35.5,35.6 U4.22
  BOTTOM w0.203: J7.3 44,18.81 58.31,18.81 59.94,20.44 J10.3
RXD3: length 73.4
  TOP w0.203: R18.1 62.48,5.57 J9.3 ; U4.19 30.7,34.1 31.68,33.12 31.68,27.72 32.1,27.3 43.93,27.3 44.14,27.1 44.14,24.8 J6.3
  BOTTOM w0.203: J6.3 41.1,21.76 41.1,5.6 41.8,4.9 59.88,4.9 J9.3
RXD4: length 35.4
  TOP w0.203: U4.41 14.79,34.6 12.7,36.69 12.7,44.71 13.69,45.7 15.9,45.7 16.7,46.5 16.7,53 17.1,53.4 21.3,53.4 21.8,52.9 21.8,49.34 20.91,48.45 R31.1 20.94,48.41 J11.3
RXD5: length 55.7
  TOP w0.203: U4.45 14.8,32.6 13.6,31.4 13.6,19.1 14.5,18.2 32.19,18.2 33.2,17.19 33.2,11.21 32.29,10.3 24.3,10.3 23.48,9.48 J12.3 23.48,5.57 R33.1
RXD6: length 49.6
  TOP w0.203: U4.17 27.49,33.1 28.08,32.5 28.08,23.2 28.79,22.5 36.7,22.5 38.4,20.8 38.4,11.3 39.55,10.15 48.25,10.15 49.48,8.92 J13.3 49.48,5.57 R35.1
RXD7: length 43.5
  TOP w0.203: U4.38 15.09,36.1 14,37.19 14,41.81 14.79,42.6 26.7,42.6 29.7,45.6 29.7,52.9 30.1,53.3 34.4,53.3 34.7,53 34.7,49.24 33.91,48.45 R37.1 33.94,48.41 J14.3
TNOW2: length 56
  TOP w0.203: v1(29.6,31.8) 29.6,25.7 30.6,24.7 38.3,24.7 39.8,23.2 39.8,15.3 40.4,14.7 48.76,14.7 49.55,13.91 R26.1 ; U4.29 v1(20.75,31.85)
  TOP w0.254: U11.2 49.62,13.83 R26.1 49.55,12.85 49.84,12.56 U11.3
  BOTTOM w0.203: v1(20.75,31.85) 29.55,31.85 v1(29.6,31.8)
TXD0: length 49.1
  TOP w0.203: U4.30 20.25,39.04 20.61,39.4 32.51,39.4 36.51,43.4 41.3,43.4 J1.4 R9.1
  BOTTOM w0.203: J1.4 47.3,43.6 47.3,34.3 46.4,33.4 44.3,33.4 42.8,31.9 J5.1
TXD1: length 88.1
  TOP w0.203: U4.12 23.5,29.6 23.8,29.3 23.8,21.3 25,20.1 35.56,20.1 36.05,19.61 36.05,9.45 35.2,8.6 35.2,1.1 35.7,0.6 39.7,0.6 40,0.9 40,4.56 39.01,5.55 R1.1 39.02,5.57 J2.4
  BOTTOM w0.203: J3.1 44.1,36.3 44.1,34.4 43.3,33.6 39.6,33.6 39.02,33.02 J2.4
TXD2: length 81.6
  TOP w0.203: R22.1 J10.4 54.8,43.9 49.01,43.9 46.51,41.4 37.71,41.4 37,40.69 37,36.39 35.71,35.1 U4.21
  BOTTOM w0.203: J7.1 44.46,21.8 56.2,21.8 57.4,23 J10.4
TXD3: length 74.8
  TOP w0.203: J6.1 42,26.8 31.89,26.8 31.18,27.51 31.18,33.01 30.59,33.6 U4.18 ; J9.4 65.02,5.57 R15.1
  BOTTOM w0.203: J6.1 40.5,23.7 40.5,5.3 41.5,4.3 61.82,4.3 J9.4
TXD4: length 18.9
  TOP w0.203: U4.40 15,35.1 13.2,36.9 13.2,44.5 13.9,45.2 17.1,45.2 J11.4 R30.1
TXD5: length 52.9
  TOP w0.203: U4.46 15.01,32.1 14.1,31.19 14.1,19.31 14.71,18.7 32.4,18.7 33.7,17.4 33.7,11 32.5,9.8 26.5,9.8 26.02,9.32 J12.4 26.02,5.63 R32.1
TXD6: length 64.7
  TOP w0.203: U4.16 27.28,32.6 27.58,32.29 27.58,22.99 28.58,22 36.49,22 37.9,20.59 37.9,11.09 39.34,9.65 47.45,9.65 48.28,8.82 48.28,1.22 48.9,0.6 52.7,0.6 53.1,1 53.1,4.56 52.11,5.55 R34.1 52.02,5.63 J13.4
TXD7: length 26.7
  TOP w0.203: U4.37 15.3,36.6 14.5,37.4 14.5,41.6 15,42.1 27,42.1 J14.4 R36.1
USB_DM: length 36.3
  TOP w0.203: USB1.7 6.85,26.45 6.6,26.7 6.6,27.2 6.85,27.45 USB1.5 8.79,27.45 8.83,27.4 9.73,27.4 v1(10.07,27.74) 10.4,27.4 10.7,27.4 11.1,27.8 11.1,29.53 9.33,31.3 9.33,33.61 9.77,34.05 10.22,34.05 10.67,34.5 U3.1 U3.6 13.98,34.5 14.43,34.05 14.72,34.05 14.76,34.1 U4.42
  BOTTOM w0.203: USB2.2 14.2,16.25 14.2,26.2 13,27.4 10.4,27.4 v1(10.07,27.74)
USB_DP: length 34.4
  TOP w0.203: U4.43 14.76,33.6 14.72,33.64 14.43,33.64 13.98,33.2 U3.4 U3.3 10.67,33.2 10.22,33.64 9.94,33.64 9.73,33.44 9.73,31.47 11.51,29.69 11.51,27.63 10.87,27 10.4,27 v1(10.07,26.66) 9.73,27 8.83,27 8.79,26.95 ; 8.79,26.95 8.8,26.93 8.8,26.1 8.65,25.95 USB1.8 ; 8.79,26.95 USB1.6
  BOTTOM w0.203: USB2.3 13.8,16.25 13.8,26.03 12.83,27 10.4,27 v1(10.07,26.66)
XI: length 8.7
  TOP w0.203: X1.1 17.35,22.55 18.5,23.7 18.5,25.05 C10.2 17.51,26.05 18.3,26.84 18.3,27.5 19.25,28.45 U4.5
XO: length 6
  TOP w0.203: U4.6 19.75,28.35 18.7,27.3 18.7,26.84 19.49,26.05 C11.2 19.5,24.65 X1.3
N17513240: length 3.5
  TOP w0.203: R8.2 13.5,31.9 14.7,33.1 U4.44
N17515627: length 1.3
  TOP w0.203: R11.1 D6.1
N17515671: length 1.5
  TOP w0.254: D3.1 1.49,32.85 R4.1
N17517277: length 7.2
  TOP w0.203: USB1.4 5.65,27.95 5.2,28.4 R6.2
N17517307: length 11.4
  TOP w0.203: USB1.10 4.45,24.95 4,25.4 R5.1
N17522544: length 8.8
  TOP w0.254: U5.1 48.44,34.9 J5.2
N17522550: length 2.4
  TOP w0.254: U5.8 R3.1
N17522580: length 8.3
  TOP w0.254: U5.4 47.17,31.09 J5.4
N17523981: length 6.3
  TOP w0.254: J6.4 51.57,23.46 U8.2
N17523989: length 12.8
  TOP w0.254: U8.3 51.66,22.1 52.6,22.1 53.1,22.6 53.1,25.5 52.42,26.18 45.52,26.18 J6.2
N17533006: length 7.9
  TOP w0.254: U1.3 59.62,38.12 60.29,38.79 62.61,38.79 63.1,38.3 63.1,37.2 62.7,36.8 C7.2
N17533010: length 2.2
  TOP w0.254: C7.1 60.65,36.83 U1.1
N17533038: length 2.6
  TOP w0.254: C1.2 60.6,41.1 59.58,40.08 U1.6
N17533058: length 2.3
  TOP w0.254: C2.2 60.1,39.9 59.62,39.42 58.5,39.42
N17533062: length 3.5
  TOP w0.254: U1.4 59.67,38.77 60.1,39.2 60.9,39.2 61.55,39.85 C2.1
N17533089: length 8.4
  TOP w0.254: J3.2 47.81,40.08 U1.11
N17533104: length 9.2
  TOP w0.254: 52.7,39.42 49.7,39.42 J3.4
N17533106: length 20.7
  TOP w0.254: F1.1 67.3,42.1 66.8,41.6 U2.1 63.2,42.6 62.5,43.3 56.3,43.3 55.7,42.7 55.7,39.2 55.27,38.77 U1.13
N17533117: length 21
  TOP w0.254: F2.1 67.2,39.6 U2.2 63,39.6 62.3,40.3 62.3,42.3 61.91,42.69 56.6,42.69 56.3,42.39 56.3,38.9 55.52,38.12 U1.14
N17538150: length 16.7
  TOP w0.203: U11.4 51.99,11.29 52.8,12.1 52.8,19.6 52.26,20.14 J7.2
N17538165: length 8.4
  TOP w0.203: U11.1 51.6,17 51,17.6 J7.4
N17542789: length 2.7
  TOP w0.203: R29.2 16.53,28.55 16.58,28.5 17.4,28.5 17.75,28.85 U4.2
N17552152: length 1.6
  TOP w0.203: D4.2 R9.2
N17552159: length 1.6
  TOP w0.203: D5.2 R10.2
N17552166: length 1.6
  TOP w0.203: D1.2 R1.2
N17552173: length 1.6
  TOP w0.203: D2.2 R2.2
N17552180: length 1.6
  TOP w0.203: D11.2 R22.2
N17552187: length 1.6
  TOP w0.203: D12.2 R24.2
N17552194: length 1.6
  TOP w0.203: D9.2 R15.2
N17552201: length 1.6
  TOP w0.203: D10.2 R18.2
N17552820: length 1.6
  TOP w0.203: D13.2 R30.2
N17552822: length 1.6
  TOP w0.203: D14.2 R31.2
N17552824: length 1.6
  TOP w0.203: D15.2 R32.2
N17552826: length 1.6
  TOP w0.203: D16.2 R33.2
N17552828: length 1.6
  TOP w0.203: D17.2 R34.2
N17552830: length 1.6
  TOP w0.203: D18.2 R35.2
N17552832: length 1.6
  TOP w0.203: D19.2 R36.2
N17552834: length 1.6
  TOP w0.203: D20.2 R37.2
N175329948: length 2.4
  TOP w0.254: U1.2 60.12,37.48 C4.2

## Copper pours and planes (outline as drawn; the poured copper is in the pictures)
GND on TOP: 84.7,3.6 83.73,1.27 81.4,0.3 3.6,0.3 1.27,1.27 0.3,3.6 0.3,50.4 1.27,52.73 3.6,53.7 81.4,53.7 83.73,52.73 84.7,50.4 ; 31 cut-outs
GND on BOTTOM: 84.7,3.6 83.73,1.27 81.4,0.3 3.6,0.3 1.27,1.27 0.3,3.6 0.3,50.4 1.27,52.73 3.6,53.7 81.4,53.7 83.73,52.73 84.7,50.4 ; 6 cut-outs
VCC_3.3V on TOP: 28.2,13.3 31.5,13.3 31.7,13.5 31.7,15.1 31.5,15.3 28.3,15.3 28.2,15.2
VCC_3.3V on BOTTOM: 28.3,15.3 31.5,15.3 31.7,15.1 31.7,13.5 31.5,13.3 28.4,13.3 28.2,13.5 28.2,15.2

## Text on the board
Ref Des/Silkscreen Bottom: XXXLZJXXX
Ref Des/Silkscreen Top: CH348Q_V10 | 240815 | XXXLZJXXX | T | G | R | V | 232R | 232T | 422A | 422B | GND | CANH | CANL | 422Z | 422Y | 485B | 485A | 3V3 | ACT | PORTF | PORTE | PORTB | PORTH | 232 | PORTA | PORTD | PORTC | CAN | 422 | 485 | PORTG
BODY_CENTER: FIGURE | FINISHED_SIZE | 0.254 | 0.8 | 1.1 | 1.4 | 2.3 | 3.3 | 1.2x0.6 | 1.7x0.6 | DRILL CHART: TOP to BOTTOM | ALL UNITS ARE IN MILLIMETERS | DRILLED_SIZE | - | PLATED | QTY | 223 | 4 | 48 | 12 | 2 | 6 | 299 | TOTAL HOLES:
